# Altium PCB BEE_BOARD.PcbDoc (part 3 of 3)
Units mil, origin at the board's own origin, x right, y up, seen from the top; angles counter-clockwise.
Board outline 2248.55 x 2045.74 mil, 8 copper layers (Top, GND_1, Signal_1, GND_2, PWR, Signal_2, GND_3, Bottom), stack 62.994 mil thick; 168 components, 97 nets, 589 pads, 287 vias.
Unrouted connection lines stored in the file: 105.
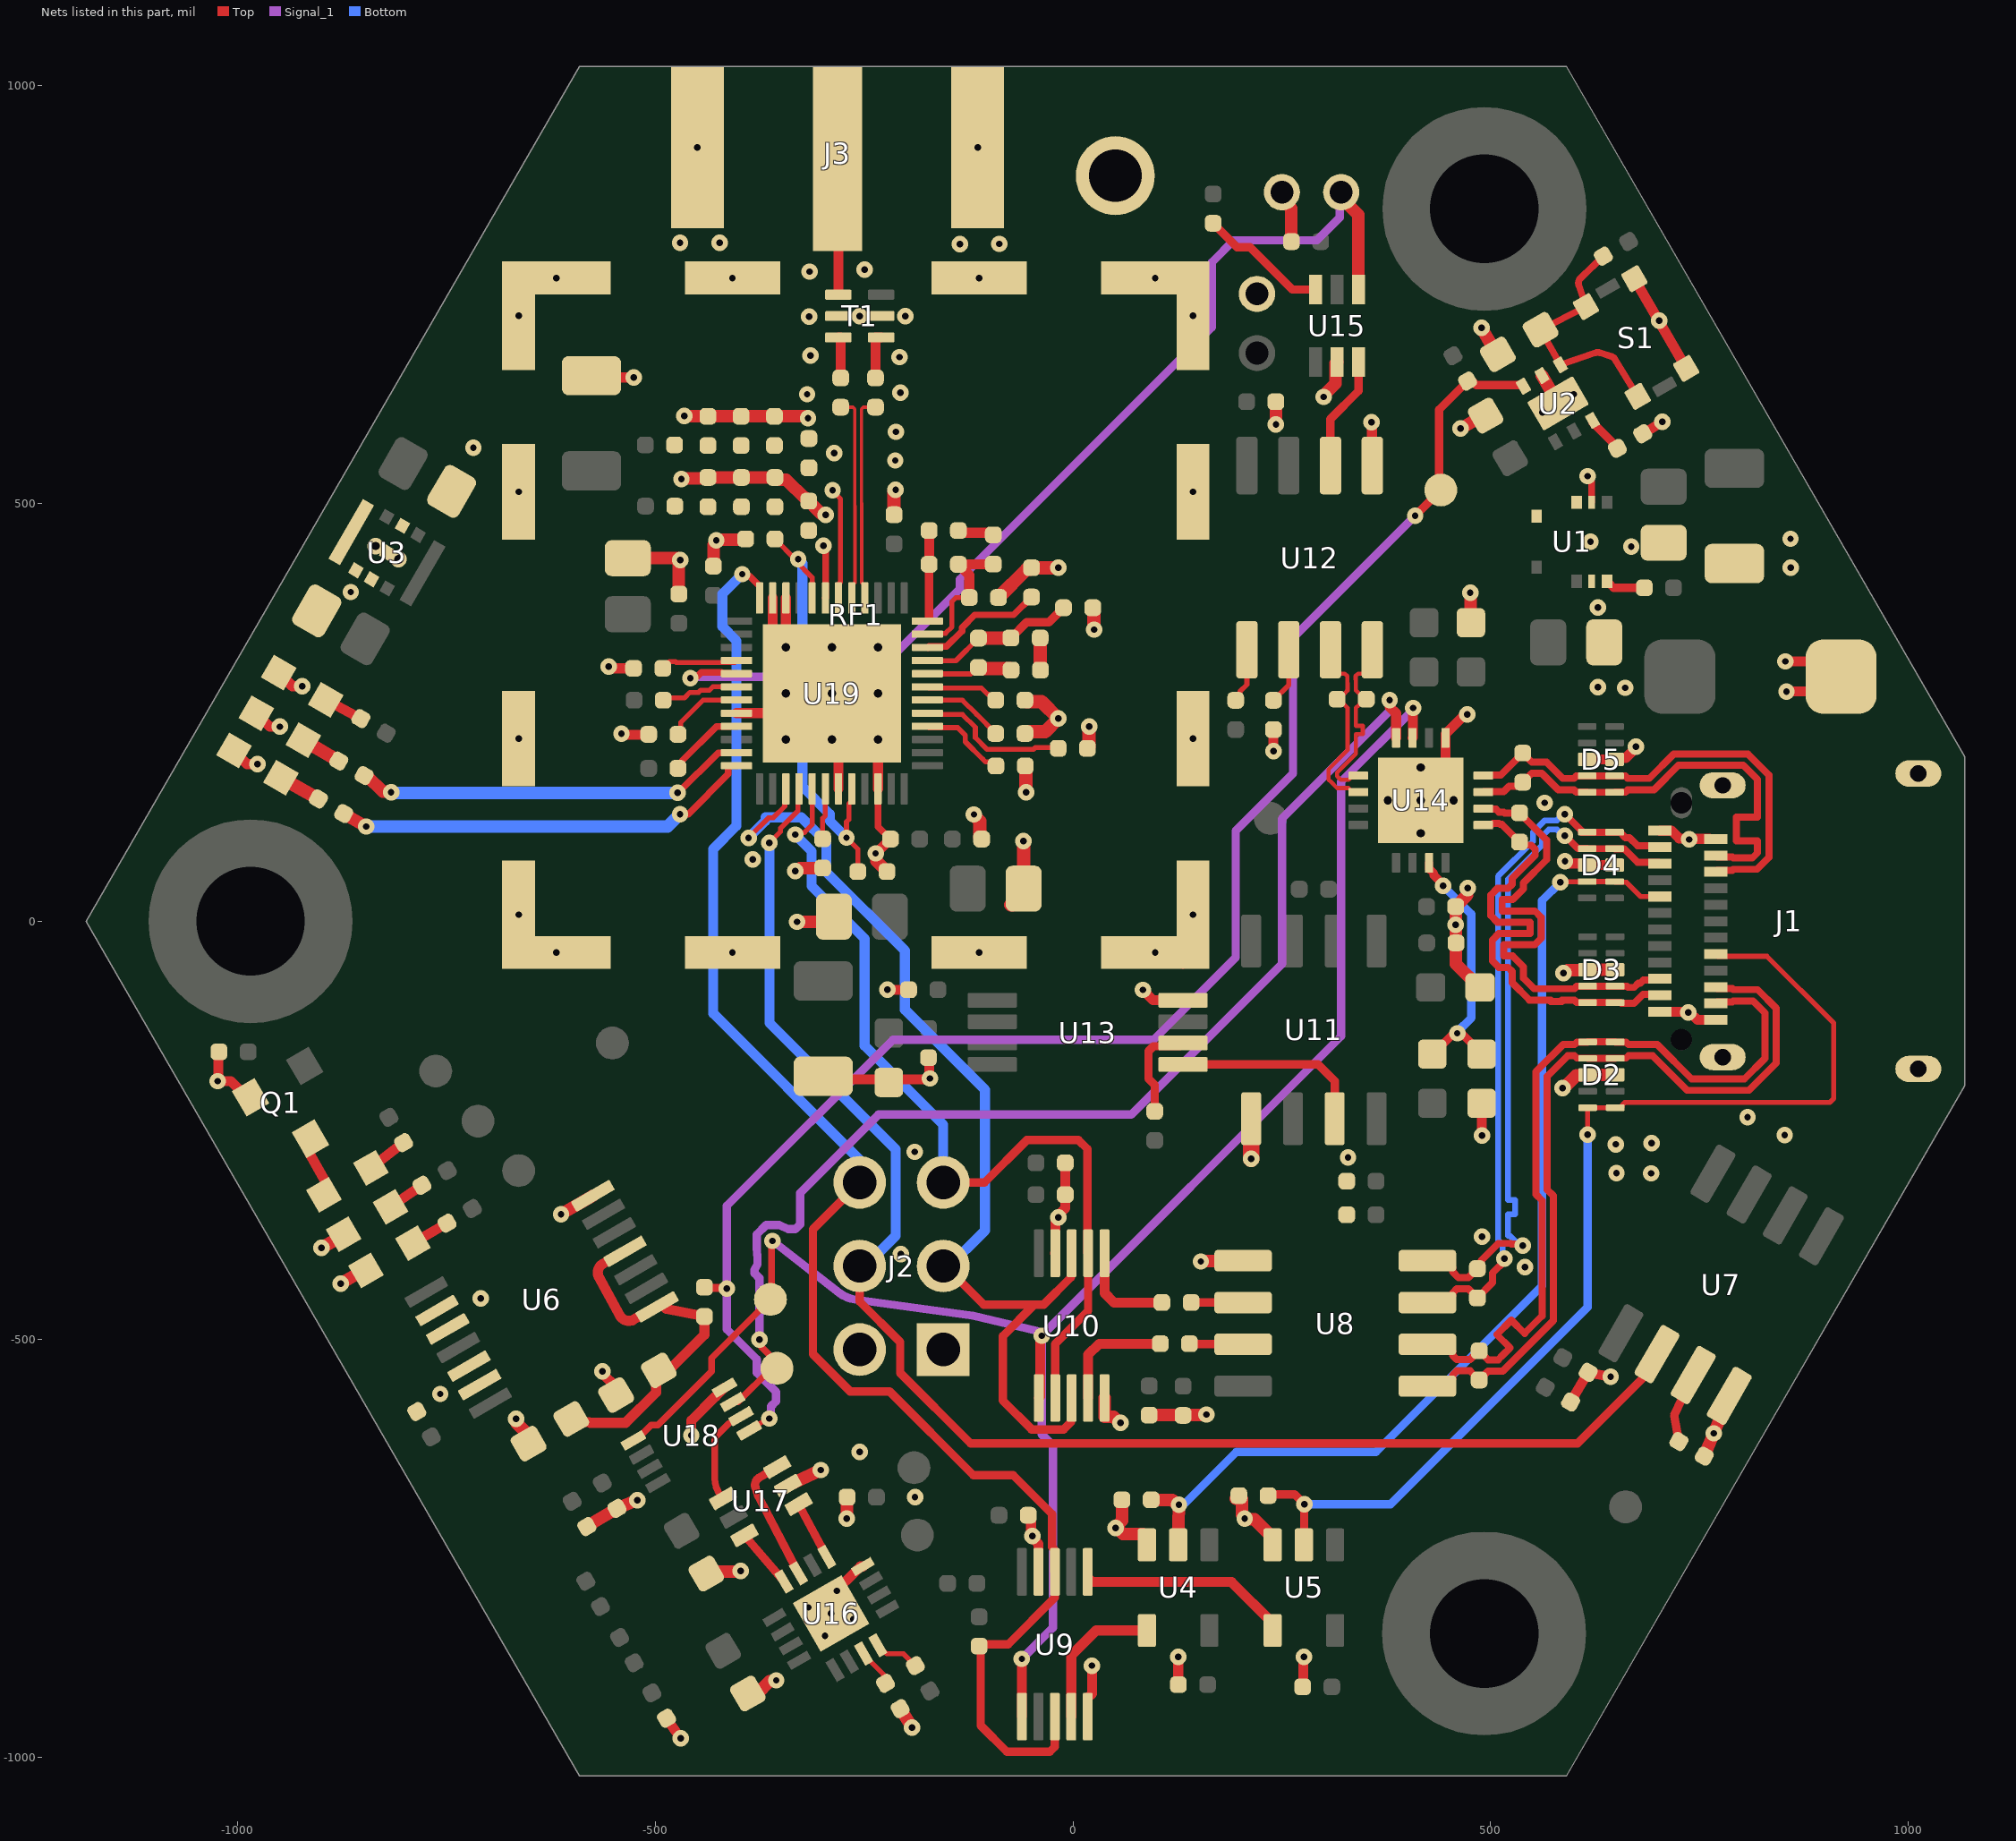
[diagram p9: the nets of this part, all layers, seen from the top]

## Via types
v1: diameter 19.68, hole 7.87, Top to Bottom, tented both sides, 270 vias
v2: diameter 19.68, hole 9.84, Top to Bottom, tented both sides, 16 vias
v3: diameter 19.68, hole 7.87, Top to Bottom, tented top, 1 vias

## Nets (pads, with @x,y where several pads share a name; then routed paths per layer and width w, separated by ;. In a path a pad name is that pad's centre, name@x,y a point inside that pad or via, vN(x,y) a via of type N, cw(c..) or ccw(c..) an arc to the next point about the centre after c; other vN are vias at no path point) (continued)
GND: C1.1 C2.2 C3.1 C4.2 C5.1 C6.1 C7.1 C8.1 C9.1 C10.1 C11.1 C12.2 C13.1 C14.1 C15.1 C16.1 C17.1 C19.2 C20.2 C21.1 C22.1 C23.1 C24.2 C25.1 C26.1 C27.2 C28.1 C29.1 C30.1 C31.2 C32.2 C33.2 C34.1 C35.1 C36.1 C37.1 C38.1 C39.1 C40.1 C41.1 C42.1 C43.1 C44.1 C45.1 C46.1 C47.1 C48.1 C49.1 C50.1 C51.1 C52.1 C53.1 C54.1 C55.1 C56.1 C57.1 C58.1 C61.1 C62.1 C63.1 C64.2 C65.1 C66.1 CLK.1 D1.2 D2.3 D2.8 D3.3 D3.8 D4.3 D4.8 D5.3 D5.8 D6.K D7.K D9.K D10.K D11.K GND.1 J1.1 J1.2 J1.3 J1.4 J1.A1 J1.A12 J1.B1 J1.B12 J2.1 J2.2 J3.2 J3.3 J3.4 J3.5 Q1.2 R3.2 R7.1 R9.2 R12.2 R14.1 R16.1 R20.2 R26.1 R27.2 R31.1 R35.1 RF1.1 S1.1 S1.2 SYNC.1 T1.2 T1.5 U1.2 U1.5 U1.7 U2.5 U2.7 U3.2 U3.5 U3.9 U4.3 U5.3 U6.7 U6.9 U6.10 U6.12 U6.13 U7.4 U8.5 U9.5 U9.9 U10.5 U10.9 U11.5 U12.5 U13.4 U14.5 U14.17 U15.2 U16.12 U16.17 U17.2 U18.4 U19.22 U19.23 U19.32 U19.43 U19.46 U19.49 | length 5151.7
  Top w8: U19.46@-233.3,158.41 -233.3,113.19 C49.1@-218.42,98.31 ; v1(615.95,532.58) 615.95,531.04 620.87,526.11 U1.2@620.87,501.33
  Top w12: R3.2@-1022.07,-156.35 -1022.87,-157.15 -1022.87,-190.54 v1(-1023.67,-191.34) -1007.7,-191.34 -988.45,-210.59 Q1.2@-984.17,-210.59 ; D7.K@-883.21,-374.39 D7.K@-873.06,-374.39 ; C19.2@-651.53,-625.1 C19.2@-651.28,-624.85 ; C36.1@-577.71,650.58 v1(-525.79,650.58) ; v1(-563.24,-538.76) -563.24,-540.84 -546.76,-557.32 C20.2@-546.76,-566.92 ; v1@-556.95,302.66 C64.2@-525.79,302.66 ; v1@-540,222.93 -506.58,222.93 C58.1@-505.87,223.64 ; v1@-539.29,224.48 v1@-538.59,225.19 ; R31.1@-486.43,-953.63 v1(-469.57,-977.53) ; v1(-456.78,-615.23) -456.78,-597.6 -428.13,-568.96 -427.31,-568.49 U18.4@-416.99,-558.16 ; C33.2@-438.83,-780.57 C33.2@-436.6,-778.34 ; U19.32@-402.59,248.96 -312.04,248.96 v2(-288.42,272.59) ; v1@-398.8,-778.34 v1(-397.71,-777.25) ; C32.2@-389.11,-924.12 C32.2@-377.77,-924.12 ; v1@-363.06,-909.42 -356.17,-909.42 v1(-355.07,-908.32) ; U19.23@-359.29,386.76 -359.29,343.45 v2(-343.54,327.7) ; U19.22@-343.54,386.76 v2(-343.54,327.7) ; v1(-332.5,60.05) -330.42,60.05 v1@-326.84,63.63 ; v1(-289.57,-828.21) -289.57,-807.26 -254.44,-772.13 U16.12@-251.49,-772.13 ; U19.43@-280.55,158.41 U19.49@-280.55,264.71 ; R26.1@-270.6,-690.28 cw(c-269.08,-690.28) R26.1@-270.16,-689.21 ; U19.46@-233.3,158.41 v2(-233.3,217.47) U19.49@-280.55,264.71 ; RF1.1@-138,-45.5 RF1.1@-125.03,-32.53 ; C16.1@-53.47,-710.81 -50.13,-714.15 -50.13,-734.1 v1(-48.66,-735.57) -48.66,-737.65 -41.43,-744.88 -41.43,-778.45 U9.9@-41.34,-778.54 ; U10.9@-21.18,-397.27 -21.08,-397.17 -21.08,-358.33 v1(-17.32,-354.57) -17.32,-351.47 -9.21,-343.37 C21.1@-9.21,-289.2 ; U9.5@17.81,-929.23 22.83,-924.21 v1(22.83,-890.73) ; v1(83.72,-82.18) 95.89,-94.35 131.53,-94.35 U13.4@131.81,-94.63 ; v1(98.43,-37.4) 118.12,-37.4 RF1.1@131.81,-51.09 ; v1(125.95,-880.09) 126.08,-880.22 126.08,-913.33 C10.1@126.2,-913.46 ; v1(153.12,-407.1) v1@153.54,-406.68 ; U8.5@203.31,-406.68 U8.5@203.73,-406.26 ; v1(239.97,203.44) R20.2@239.96,229.39 ; C25.1@242.86,621.61 C25.1@242.91,621.56 ; v1@242.91,594.61 v1(242.95,594.56) ; C9.1@274.89,-916.06 275.65,-915.29 275.65,-880.86 v1(276.42,-880.09) ; v1(357.47,596.92) 357.87,596.53 357.87,545.67 U12.5@358.27,545.28 ; v2(416.34,144.69) 416.34,155.85 445.87,185.38 U14.5@445.87,219.49 445.87,224.22 467.7,246.05 470.29,246.05 v1(471.76,247.52) ; v1(475.49,393.27) v1@475.94,392.82 ; R16.1@475.94,357.7 R16.1@476.38,357.26 ; R14.1@489.18,-217.9 489.48,-218.2 489.48,-256.3 v1(489.78,-256.6) ; C4.2@493.82,605.03 C4.2@497.78,608.99 ; v1(588.9,71.81) 590.98,71.81 593.75,69.03 613.55,69.03 D4.8@615.43,67.16 D4.3@648.3,67.16 ; C11.1@595.57,-575.33 C14.1@616.63,-539.75 v1(643.58,-545.03) ; D5.8@615.43,193.62 D5.3@648.3,193.62 650.17,195.5 661.83,195.5 673.97,207.64 v1(673.97,209.06) ; C5.1@635.86,333.66 C5.1@638.73,330.8 ; S1.1@671.95,768.86 705.11,711.43 S1.2@733.95,661.46 ; C6.1@681.88,583.3 v1(705.49,597.63) ; J1.A1@702.36,-108.27 702.46,-108.36 735.55,-108.36 v1(736.46,-109.27) 738.54,-109.27 747.28,-118.02 769.2,-118.02 J1.B12@769.29,-118.11 ; J1.A12@702.36,108.27 716.5,108.27 725.82,98.95 737.13,98.95 737.4,98.69 757.69,98.69 757.86,98.52 J1.B1@761.51,98.52 ; C3.1@704.8,455.14 C3.1@706.99,452.95 ; C1.1@791.18,428.4 C1.1@791.59,427.98 ; v1(852.56,310.84) 901.19,310.84 D1.2@919.29,292.74 901.46,274.91 v1(853.98,274.91) ; v2(-343.54,327.7) v2(-288.42,272.59) ; v2(-288.42,272.59) U19.49@-280.55,264.71
  Top w12.01: D9.K@-1005.81,205.23 -988.58,188.01 v1(-975.98,188.01) ; D10.K@-977.27,249.03 -961.03,232.79 v1(-949.14,232.79) ; D11.K@-950.38,297.44 -934.14,281.2 v1(-922.25,281.2) ; C40.1@-298.87,-185.54 -295.19,-189.23 -216.68,-189.23 -216.64,-189.27 -173.76,-189.27 -172.02,-187.53 -172.02,-164.21 C28.1@-172.92,-163.31 ; C45.1@-292.3,-0.8 C45.1@-285.99,5.51 ; v1(-236.13,81.19) -235.55,81.19 C49.1@-218.42,98.31 ; v1(-221.96,-82.01) C26.1@-196.67,-82.01
  Top w15: v1(-899.24,-390.79) -879.65,-379.47 D7.K@-873.06,-374.39 ; v1(-876.4,-433.48) -853.85,-420.46 D6.K@-845.95,-417.64 ; v3(-666.34,-595.45) -665.45,-596.35 -665.45,-600.73 -651.53,-614.64 C19.2@-651.53,-625.1 ; v1(-612.62,-350.54) U6.7@-574.48,-328.46 ; C34.1@-581.8,-724.34 C35.1@-545.74,-702.57 v1(-521.45,-692.74) ; C62.1@-532.74,434.37 -473.49,434.37 -471.64,432.51 C66.1@-471.64,391.53 ; v1(-468.61,528.93) -467.56,529.97 -437.94,529.97 C48.1@-436.9,531.02 C51.1@-396.77,531.02 C53.1@-356.65,531.02 -354.15,528.52 -343.06,528.52 -319.74,505.19 C54.1@-318.69,505.19 ; v1(-465.18,604.63) -464.96,604.41 -437.11,604.41 C42.1@-436.9,604.19 C46.1@-397.06,604.19 -320.89,604.19 -318.66,601.96 v1(-317.12,601.96) ; C33.2@-436.6,-778.34 v1@-398.8,-778.34 ; C41.1@-430.25,424.99 -430.25,450.17 -426.76,453.66 v1(-426.76,455.74) -425.9,456.6 -392.52,456.6 C56.1@-391.65,457.47 ; C32.2@-377.77,-924.12 v1@-363.06,-909.42 ; U17.2@-341.1,-675.38 -333.77,-671.58 v1(-301.82,-656.63) ; v1(-330.31,-0.8) C45.1@-292.3,-0.8 ; v1@-326.84,63.63 C61.1@-299.45,63.63 ; C54.1@-320.19,506.69 -300.7,487.21 -296.93,487.21 v1(-295.84,486.11) ; v1(-270.6,-714.59) R26.1@-270.6,-690.28 ; v1(-236.13,81.19) -235.24,80.29 -235.24,72.1 C63.1@-222.51,59.38 ; R27.2@-206.86,-942.16 v1(-192.48,-964.97) ; U10.5@37.88,-570.49 37.88,-592.94 37.97,-593.04 48.54,-593.04 55.59,-600.09 v1(57.14,-600.09) ; R12.2@58.57,-692.39 R12.2@58.66,-692.3 58.66,-716.99 50.99,-724.65 v1(50.99,-726.2) 52.54,-726.2 59.72,-733.38 83.72,-733.38 88.55,-738.2 U4.3@88.55,-746.23 ; C13.1@91.2,-590.94 159.16,-590.94 v1(159.84,-590.26) ; v1@153.54,-406.68 U8.5@203.31,-406.68 ; R9.2@195.06,-690.75 R9.2@198.52,-687.3 202.52,-691.3 202.52,-710.16 205.55,-713.19 v1(205.55,-714.74) 206.65,-715.83 217.47,-715.83 239.02,-737.37 U5.3@239.02,-746.23 ; v1@242.91,594.61 C25.1@242.91,621.56 ; SYNC.1@250.15,872.36 250.15,863.89 261.48,852.57 C31.2@261.48,813.21 ; v1(299.98,627.41) 299.98,628.95 314.29,643.26 314.29,667.29 U15.2@316.16,669.16 ; C30.1@458.13,17.5 471.76,31.13 471.76,38.85 v1(472.66,39.74) ; C30.1@458.29,17.34 458.04,17.09 458.04,-4.25 v1(457.94,-4.34) 458.19,-4.59 458.19,-25.71 C29.1@458.44,-25.97 458.44,-50.91 486.69,-79.16 C27.2@487.19,-79.16 ; v1(463.79,589.46) 484.83,601.61 C4.2@493.82,605.03 ; R16.1@475.94,357.7 v1@475.94,392.82 ; v1(488.9,710.2) 502.9,685.96 C2.2@508.57,678.27 ; U2.5@561.32,652.95 574.42,630.26 U2.7@580.51,619.7 ; v1(585.84,-199.66) 587.11,-199.66 602.59,-184.17 616.11,-184.17 616.49,-183.8 D2.3@648.99,-183.8 ; v1(587.22,-61.93) 588.48,-61.93 592.06,-58.35 615.65,-58.35 D3.8@616.02,-57.98 D3.3@648.89,-57.98 ; R7.1@755.55,-640.09 v1(766.96,-612.71) U7.4@785.62,-567.97
  Top w16: C47.1@-214.07,486.45 -214.07,513.84 -212.18,515.73 v1(-212.18,516.19) ; v1(-118.47,127.83) -118.47,126.83 -111.25,119.61 -111.25,100.31 C43.1@-109.25,98.31 ; C57.1@-89.06,387.39 -55.52,420.93 -51.6,420.93 C44.1@-49.6,422.93 v1(-17.64,422.93) ; C39.1@-74.55,19.51 -72.45,19.51 -58.95,33.01 C39.1@-58.95,39.01 -59.09,39.14 -59.09,95.71 v1(-59.23,95.85) ; C37.1@-57.45,224.62 -55.45,226.62 -33.19,226.62 v1(-17.32,242.5) -37.44,262.62 -55.45,262.62 C38.1@-57.45,264.62 ; C65.1@-57.09,185.72 -56.2,184.84 -56.2,154.68 v1(-55.87,154.35) ; R35.1@17.36,206.91 19.19,208.74 19.19,232.64 v1(19.52,232.97) ; C55.1@23.67,375.13 25.21,373.59 25.21,349.23 v1(25.54,348.9)
  Top w20: v1(213.32,-284.25) U11.5@213.32,-236.22
  Bottom w12: v1@489.17,-255.99 v1(489.78,-256.6)
  other v1: -296.78,-855.1 -262.68,-835.41 -316.46,-821 -282.37,-801.32 -189.02,-688.99 -255.2,-635.1 -757.25,-565.69 -708.61,-451.5 540.92,-413.82 -205.83,-398.26 489.62,-377.54 650.5,-301.31 691.96,-301.65 329.21,-282.76 -189.21,-276 649.83,-266.93 692.46,-265.42 851.83,-255.76 807.42,-234.59 -171.12,-188.17 -618.11,-37.4 -407.48,-37.4 -112.2,-37.4 -663.39,7.87 143.7,7.87 -383.19,73.78 737.4,97.86 564.44,141.73 -663.39,218.5 143.7,218.5 -540.35,224.48 660.91,279.3 628.44,279.93 -555.54,304.92 628.38,375.53 -864.25,393.92 859.12,423.11 -469.77,432.2 668.18,448.15 619.49,454.09 858.83,457.63 -663.39,513.78 143.7,513.78 -212.63,551.3 -285.78,560.31 -717.61,566.69 -211.75,585.55 561.76,608.88 -318.15,630.63 599.26,630.53 -206.39,632.48 -207.42,674.96 -314.23,676.81 701.56,718.64 -315.68,723.41 -663.39,724.41 -255.14,724.12 -200.61,724.12 143.7,724.41 -618.11,769.68 -407.48,769.68 -112.2,769.68 98.43,769.68 -315.26,777.23 -249.28,779.71 -135.21,810.22 -88.04,810.42 -470.16,811.71 -422.99,811.92 -449.44,925.89 -114,925.89
  other v2: 416.34,105.31 376.97,144.69 455.71,144.69 416.34,184.06 -343.54,217.47 -288.42,217.47 -343.54,272.59 -233.3,272.65 -288.42,327.7 -233.3,327.7 -807.32,433.18 -834.59,448.92
LED_RX: R33.2 U19.36 | length 509.4
  Top w6: R33.2@-872.73,128.83 R33.2@-869.3,126.77
  Top w8: v1(-470.17,128.11) -460.45,128.11 -412.41,176.16 -412.41,184.64 -411.08,185.97 U19.36@-402.59,185.97
  Top w15: R33.2@-869.3,126.77 v1(-845.98,113.3)
  Bottom w15: v1(-845.98,113.3) -484.98,113.3 v1(-470.17,128.11)
LED_TX: R32.2 U19.35 | length 475.5
  Top w6: R32.2@-848.33,174.26 R32.2@-845.07,171.92
  Top w8: v1(-473.16,153.62) -472.4,153.62 -424.63,201.39 -402.92,201.39 U19.35@-402.59,201.72
  Top w15: R32.2@-845.47,172.32 -844.37,173.41 -825.96,155.01 -816.92,155.01 v1(-816.03,154.11)
  Bottom w15: v1(-816.03,154.11) -815.54,153.62 v1(-473.16,153.62)
NetC2_1: C2.1 R40.1 S1.3 S1.4 U2.4 | length 305.3
  Top w8: 630.64,680.34 ccw(c628.19,672.72) 625.57,680.29 U2.4@583.48,665.74 C2.1@559.67,707.77 S1.3@613.98,735.4 605.36,760.94 cw(c612.94,763.5) 607.37,769.24 R40.1@634.76,795.81 ; 630.65,680.34 644.44,675.88 cw(c642,668.26) 648.82,672.44 S1.4@675.99,628
NetC6_2: C6.2 U2.3 | length 45.8
  Top w6: U2.3@621.87,596.84 U2.3@621.87,599.26 ; C6.2@651.57,565.8 C6.2@651.57,567.14
  Top w10: U2.3@621.87,596.84 C6.2@651.57,567.14
NetC19_1: C19.1 C20.1 R8.1 U6.1 U6.4 | length 430.1
  Top w12: C19.1@-600.44,-595.6 -596.66,-599.37 -578.77,-599.37 -577.93,-600.21 -535.35,-600.21 -498.95,-563.82 -498.95,-540.71 -491.39,-533.14 -479.19,-533.14 -441.08,-495.03 R8.1@-441.08,-472.99 -445.08,-472.16 -445.16,-472.16 -486.66,-463.68 -491.48,-458.86 U6.1@-497.71,-461.43 -527.2,-477.46 -528.92,-477.86 cw(c-531.61,-466.17) -542.16,-471.9 -567.24,-426.15 cw(c-556.72,-420.38) -562.97,-410.14 U6.4@-555.92,-405.83
NetC56_2: C56.2 C63.2 U19.20 U19.44 | length 559.5
  Top w6: C56.2@-356.65,457.47 -332.3,433.12 v1(-328.81,433.12) -330.68,433.12 -332.25,431.55 -312.04,411.34 U19.20@-312.04,386.76 ; U19.44@-264.8,158.41 -264.8,144.04 -268.2,140.64 -268.2,121.75 -270.97,118.98 v1(-270.97,99.91) -257.51,86.45 C63.2@-257.51,59.38
  Bottom w12: v1(-328.81,433.12) -323.7,428.01 -323.7,160.95 -290.74,128 -290.74,119.68 v1(-270.97,99.91)
NetC58_2: C58.2 U19.31 | length 92.8
  Top w6: C58.2@-470.87,223.64 -469.59,224.91 -469.59,237.71 -442.82,264.48 -430.03,264.48 -429.8,264.71 U19.31@-402.59,264.71
NetC59_1: C59.1 T1.4 | length 55.1
  Top w12: C59.1@-236.26,650.11 -236.26,698.43 -236.16,698.53 T1.4@-229.55,698.53
NetC60_1: C60.1 T1.3 | length 51.2
  Top w12: T1.3@-280.74,698.53 -278.01,698.53 -277.91,698.43 C60.1@-277.91,650.11
NetC61_2: C61.2 U19.42 | length 61.1
  Top w6: C61.2@-299.45,98.63 -299.45,123.14 -296.29,126.3 U19.42@-296.29,158.41
NetC64_1: C64.1 U19.28 | length 93
  Top w6: C64.1@-490.79,302.66 -482.88,310.58 -475.69,310.58 -474.6,309.49 -405.06,309.49 U19.28@-402.59,311.96
NetC65_2: C65.2 U19.4 | length 105.3
  Top w6: U19.4@-173.36,232.97 -172.03,231.64 -138,231.64 -128.8,222.44 -128.8,214.8 -107.63,193.62 -104.52,190.51 -96.87,190.51 C65.2@-92.09,185.72
NetC67_2: C67.2 R37.2 U19.12 | length 109.1
  Top w6: U19.12@-173.36,358.95 U19.12@-172.08,360.24
  Top w10: U19.12@-172.08,360.24 C67.2@-172.08,427.11
  Top w12: C67.2@-172.08,427.11 R37.2@-172.08,467.47
NetC68_2: C68.2 R36.2 | length 38.5
  Top w6: C68.2@-39.24,338.89 C68.2@-39.09,338.74 ; R36.2@-39.09,300.73 R36.2@-38.93,300.57
  Top w16: R36.2@-39.09,300.73 C68.2@-39.09,338.74
NetC69_1: C69.1 R36.1 U19.8 | length 104
  Top w6: U19.8@-173.36,295.96 -122.42,295.96 -114.65,303.74 C69.1@-113.02,303.74 C69.1@-111.44,302.15 ; R36.1@-75.51,302.15 R36.1@-73.93,300.57
  Top w16: C69.1@-111.44,302.15 R36.1@-75.51,302.15
NetC70_2: C70.2 R37.1 | length 43.9
  Top w6: R37.1@-137.08,467.47 R37.1@-134.5,464.9 ; C70.2@-97.88,464.9 C70.2@-95.31,462.32
  Top w12: R37.1@-134.5,464.9 C70.2@-97.88,464.9
NetD6_A: D6.A R1.1 | length 47.1
  Top w12: D6.A@-789.7,-385.16 R1.1@-749.12,-361.31
NetD7_A: D7.A R2.1 | length 45.8
  Top w12: D7.A@-816.8,-341.91 R2.1@-779.1,-315.93
NetD8_A: D8.A R4.2 | length 49.5
  Top w12: D8.A@-840.36,-294.99 R4.2@-801.08,-264.93
NetD8_K: D8.K Q1.3 | length 73.8
  Top w12: Q1.3@-912.41,-260.08 -915,-275.1 -893.05,-314.15 D8.K@-896.62,-327.47
NetD9_A: D9.A R33.1 | length 51.5
  Top w16: D9.A@-947.85,171.77 R33.1@-903.04,146.33
NetD10_A: D10.A R32.1 | length 49.1
  Top w16: D10.A@-921.02,216.55 R32.1@-878.65,191.76
NetD11_A: D11.A R34.1 | length 47.6
  Top w12.01: D11.A@-894.13,264.96 R34.1@-852.21,242.5
NetJ3_1: J3.1 T1.1 | length 162.8
  Top w12: J3.1@-281.72,912.11 -280.74,911.12 T1.1@-280.74,749.71
NetR7_2: R7.2 U7.3 | length 85.2
  Top w10: R7.2@725.24,-622.59 719.5,-591.57 U7.3@742.32,-542.97
NetR10_1: R10.1 U10.4 | length 143.5
  Top w12: U10.4@18.19,-570.49 18.19,-518.71 31.37,-505.53 R10.1@104.46,-505.53
NetR10_2: R10.2 U8.7 | length 64.6
  Top w6: R10.2@139.46,-505.53 R10.2@139.82,-505.9 ; U8.7@203.37,-505.9 U8.7@203.73,-506.26
  Top w10: R10.2@139.82,-505.9 U8.7@203.37,-505.9
NetR11_1: R11.1 U10.6 | length 121
  Top w12: U10.6@37.88,-397.27 37.88,-444.91 49.22,-456.26 R11.1@106.49,-456.26
NetR11_2: R11.2 U8.6 | length 62.2
  Top w10: R11.2@141.49,-456.26 U8.6@203.73,-456.26
NetR19_1: R19.1 U12.1 | length 66
  Top w6: R19.1@194.79,264.4 199.94,269.55 199.94,274.91 208.27,283.23 U12.1@208.27,324.8
NetR20_1: R20.1 U12.2 | length 68
  Top w6: R20.1@239.96,264.39 258.27,282.7 U12.2@258.27,324.8
NetR23_1: R23.1 U13.2 | length 120.3
  Top w10: R23.1@97.95,-227.36 97.95,-195.87 90.47,-188.39 90.47,-155.52 96.33,-149.67 127.95,-149.67 U13.2@131.81,-145.81
NetR24_1: R24.1 U15.6 | length 155.7
  Top w10: R24.1@167.77,835.18 196.48,806.47 211.89,806.47 262.58,755.78 U15.6@290.57,755.78
NetR27_1: R27.1 U16.7 | length 46.6
  Top w6: U16.7@-250.54,-876.14 -250.54,-877.45 -226.97,-901.02 -226.97,-909.24 R27.1@-224.36,-911.85
NetR28_1: R28.1 U16.8 | length 55
  Top w6: U16.8@-233.49,-866.29 -232.99,-866.29 -222.72,-876.56 -202.79,-876.56 R28.1@-188.62,-890.73
NetR35_2: R35.2 U19.5 | length 182.1
  Top w6: U19.5@-173.36,248.72 -172.03,247.38 -132.18,247.38 -116.8,232.01 -116.8,219.77 -102.66,205.62 -47.24,205.62 -44.97,207.89 -18.63,207.89 R35.2@-17.64,206.91
NetR38_2: R38.2 U19.30 | length 94.3
  Top w6: R38.2@-490.24,264.46 -487.56,267.14 -465.13,267.14 -458.43,273.84 -448.04,273.84 -445.4,276.48 -435,276.48 -431.02,280.46 U19.30@-402.59,280.46
NetR39_2: R39.2 U19.33 | length 93.5
  Top w8: R39.2@-472.74,182.96 -467.97,187.73 -467.97,192 -426.76,233.22 U19.33@-402.59,233.22
NetR43_1: R43.1 U1.6 | length 48.9
  Top w10: U1.6@639.09,406.84 639.09,405.37 640.48,403.97 641.96,403.97 646.98,398.94 R43.1@683.81,398.94
NetU1_3: U1.3 U1.8
NetU3_1: U3.1 U3.7
NetU4_4: U4.4 U9.4 | length 176.2
  Top w12: U9.4@-1.97,-951.77 -1.97,-878.45 27.88,-848.6 U4.4@88.55,-848.6
NetU5_4: U5.4 U9.6 | length 252
  Top w12: U9.6@18.19,-785.75 22.83,-790.39 189.67,-790.39 239.02,-839.74 U5.4@239.02,-848.6
NetU11_7: U11.7 U13.1 | length 234.6
  Top w10: U13.1@131.81,-171.4 293.34,-171.4 313.32,-191.38 U11.7@313.32,-236.22
OUT1: U16.16 U17.6 | length 72.8
  Top w10: U17.6@-393.08,-734.94 U16.16@-345.66,-790.12
OUT2: U16.15 U17.3 | length 153.6
  Top w10: U17.3@-353.89,-653.22 -375.48,-665.81 ccw(c-370.45,-674.44) -379.98,-677.48 -376.58,-688.15 U16.15@-328.61,-780.28
OUT4: U16.13 U17.1 | length 71.5
  Top w10: U17.1@-328.3,-697.54 U16.13@-294.51,-760.6
PE: R13.1 R14.2 U14.15 | length 311.5
  Top w10: U14.15@426.18,69.88 426.18,62.99 431.94,57.23 431.94,54.92 442.93,43.93 v1(442.93,42.32) ; R13.1@430.12,-158.89 431.21,-158.89 455.71,-134.4 465.18,-134.4 489.18,-158.4 R14.2@489.18,-158.9
  Bottom w10: v1(442.93,42.32) 476.78,8.48 476.78,-115.77 459.96,-132.59 v1(459.96,-134.08)
PULSE: Pulse.1 R8.2 R42.1 U2.6 U18.1 | length 1945.9
  Top w6: R8.2@-441.08,-437.99 R8.2@-440.31,-438.76 ; v1@-414.89,-438.76 v1(-414.13,-439.52) ; U18.1@-387.46,-609.31 -383.49,-605.34 v1(-363.37,-595.08)
  Top w10: R8.2@-440.31,-438.76 v1@-414.89,-438.76 ; v1(409.6,485.28) Pulse.1@440.31,515.99 438.1,518.21 438.1,612.06 R42.1@472.34,646.31 477.97,646.31 482.64,641.63 537.68,641.63 U2.6@539.16,640.15
  Signal_1 w10: v1(-363.37,-595.08) -361.51,-593.23 -361.51,-580.61 -355.47,-574.56 -355.47,-563.07 -378.34,-540.2 -378.34,-524.09 -414.13,-488.31 v1(-414.13,-439.52) -414.13,-340.41 -215.44,-141.73 96.5,-141.73 194.8,-43.44 194.8,108.23 263.34,176.77 263.34,339.02 v1(409.6,485.28)
RF_N: C60.2 U19.17 | length 245.5
  Top w4: C60.2@-277.91,615.11 -263.43,615.11 -261.08,612.76 -261.08,497.01 -260.92,496.85 -260.92,405 -264.8,401.13 U19.17@-264.8,386.76
RF_P: C59.2 U19.16 | length 245.5
  Top w4: U19.16@-249.05,386.76 -249.05,401.13 -252.92,405 -252.92,500.17 -253.08,500.33 -253.08,612.76 -250.74,615.11 C59.2@-236.26,615.11
RX1_N: D2.4 D2.7 J1.B10 R5.2 U8.1 | length 956.3
  Top w8.5: U8.1@424.2,-556.26 445.86,-556.26 454.4,-547.71 454.4,-542.99 459.38,-538.01 475.25,-538.01 R5.2@486.22,-549 496.95,-538.25 514.56,-538.25 574.94,-477.87 574.94,-328.54 567.74,-321.35 567.74,-185.52 592.25,-161.02 600.31,-161.02 603.09,-163.8 615.81,-163.8 D2.7@616.12,-164.11 D2.4@648.99,-164.11 649.31,-163.8 662.02,-163.8 664.8,-161.02 693.76,-161.02 735.1,-202.36 809.09,-202.36 841.74,-169.71 841.74,-104.2 819.37,-81.83 790.42,-81.83 788.98,-80.4 770.95,-80.4 J1.B10@769.29,-78.74
RX1_P: D2.5 D2.6 J1.B11 R5.1 U8.2 | length 956.3
  Top w8.5: U8.2@424.2,-506.26 445.86,-506.26 454.4,-514.8 454.4,-519.53 459.38,-524.51 475.49,-524.51 486,-514 R5.1@486.22,-514 496.95,-524.75 508.97,-524.75 514.58,-519.13 523.24,-510.47 507.36,-494.59 524.68,-477.26 540.57,-493.15 561.44,-472.28 561.44,-334.14 554.24,-326.94 554.24,-179.93 586.66,-147.52 600.31,-147.52 603.09,-144.74 615.81,-144.74 D2.6@616.12,-144.43 D2.5@648.99,-144.43 649.31,-144.74 662.02,-144.74 664.8,-147.52 699.35,-147.52 740.69,-188.86 803.49,-188.86 828.24,-164.11 828.24,-109.79 813.78,-95.33 790.42,-95.33 788.98,-96.77 770.95,-96.77 J1.B11@769.29,-98.43
RX2_N: D4.4 D4.7 J1.A10 R6.1 U8.4 | length 841.9
  Top w8.5: U8.4@424.2,-406.26 445.86,-406.26 454.4,-414.8 454.4,-419.55 461.29,-426.44 473.31,-426.44 R6.1@484.04,-415.69 488.71,-411.02 488.71,-405.82 509.05,-385.47 524.04,-385.47 524.71,-386.14 536.07,-386.14 v1(538.21,-388.28) ; v1(588.75,102.18) 589.25,102.18 604.28,87.15 615.11,87.15 D4.7@615.43,86.84 D4.4@648.3,86.84 648.61,86.53 659.86,86.53 675.83,70.55 700.71,70.55 J1.A10@702.36,68.9
  Bottom w7: v1(538.21,-388.28) 534.78,-388.28 522.62,-376.12 520.76,-376.12 520.76,-367.62 520.76,-350.62 529.4,-350.62 529.4,-333.62 520.76,-333.62 520.76,-301.31 520.76,50.18 561.63,91.06 561.63,101.92 569.4,109.68 579.29,109.68 586.79,102.18 v1(588.75,102.18)
RX2_P: D4.5 D4.6 J1.A11 R6.2 U8.3 | length 841.9
  Top w8.5: U8.3@424.2,-456.26 445.85,-456.26 454.4,-447.71 454.4,-444.92 459.38,-439.94 473.31,-439.94 R6.2@484.04,-450.69 ; R6.2@484.04,-450.69 502.29,-432.44 502.29,-420.85 516.55,-406.59 v1(516.55,-403.56) ; v1(588.75,128.18) 608.55,108.38 608.55,106.84 608.87,106.53 D4.5@648.3,106.53 654.86,106.53 661.36,100.03 666.04,100.03 675.83,90.24 700.71,90.24 J1.A11@702.36,88.58
  Bottom w7: v1(516.55,-403.56) 514.12,-401.14 514.12,-386.45 508.76,-381.09 508.76,53.74 550.63,95.61 550.63,106.48 564.84,120.68 579.29,120.68 586.79,128.18 v1(588.75,128.18)
SBU1: D4.2 D4.9 J1.A8 R12.1 U4.2 | length 1245.5
  Top w6: v1(583.47,46.7) 583.85,47.09 615.04,47.09 D4.9@615.43,47.47 D4.2@648.3,47.47 649.24,46.53 662.58,46.53 679.58,29.53 J1.A8@702.36,29.53
  Top w15: R12.1@93.66,-692.3 118.75,-692.3 124.72,-698.28 v1(126.81,-698.28) U4.2@125.95,-746.23
  Bottom w10: v1(126.81,-698.28) 132.39,-698.28 195.72,-634.95 362.73,-634.95 561.44,-436.24 561.44,24.68 v1(583.47,46.7)
SBU2: D2.1 D2.10 J1.B8 R9.1 U5.2 | length 1339
  Top w6: v1(615.89,-255.24) 615.89,-223.4 D2.10@616.12,-223.17 656.18,-223.17 657.12,-222.23 657.12,-220.3 660.63,-216.78 905.76,-216.78 910.56,-211.98 910.56,-121.99 830.58,-42.01 771.93,-42.01 J1.B8@769.29,-39.37
  Top w10: R9.1@233.52,-687.3 235.1,-685.71 265.28,-685.71 v1(277.16,-697.59) 276.79,-697.96 276.79,-745.86 U5.2@276.42,-746.23
  Bottom w10: v1(277.16,-697.59) 380.11,-697.59 615.89,-461.81 v1(615.89,-255.24)
SEL: SEL.1 U9.1 U10.1 U14.7 U18.5 | length 2190.1
  Top w8: U18.5@-526.09,-621.15 -522.85,-621.15 -504.75,-603.05 -496.61,-603.05 -432.32,-538.76 -432.32,-522.81 -360.02,-450.52 -360.75,-449.79 -360.75,-383.77 v1(-359.48,-382.5)
  Top w12: v1(-61.18,-882.65) -61.1,-882.73 -61.1,-951.69 U9.1@-61.02,-951.77 ; U10.1@-40.86,-570.49 -39.08,-568.71 -39.08,-497.72 v1(-37.42,-496.05) ; U14.7@406.5,219.49 406.91,219.9 406.91,254.76 v1(407.32,255.17)
  Signal_1 w10: v1(-359.48,-382.5) -280.04,-444.51 ccw(c-255.2,-412.52) -260.74,-452.64 -119.98,-472.02 -43.28,-490.2 v1(-37.42,-496.05) ; v1(-61.18,-882.65) -24.05,-845.52 -24.05,-627.17 -37.42,-613.8 v1(-37.42,-496.05) ; v1(407.32,255.17) 407.32,253.34 321.02,167.04 321.02,-137.61 v1(-37.42,-496.05)
SEL#: SEL#.1 U14.8 U18.3 | length 1446.6
  Top w8: U18.3@-407.14,-575.21 -400.83,-575.21 -360.71,-535.09 SEL#.1@-354.15,-535.09 -354.15,-528.11 -373.06,-509.19 -373.06,-502.72 v1(-375.3,-500.49)
  Top w12: v1(378.98,264.47) 378.98,256.47 386.81,248.65 U14.8@386.81,219.49
  Signal_1 w10: v1(-375.3,-500.49) -375.3,-426.98 -380.88,-421.39 -380.88,-417.25 -377.58,-410.73 -377.58,-404.2 -378.33,-390.31 -378.33,-374.7 -367.29,-363.66 -351.68,-363.66 -340.67,-368.5 -332.39,-368.5 -326.53,-362.64 -326.53,-325.17 -232.79,-231.42 69.91,-231.42 250.15,-51.18 250.15,122.84 378.98,251.68 v1(378.98,264.47)
SEL_3V3: U17.4 U18.2 | length 115.9
  Top w8: U17.4@-418.67,-690.62 cw(c-394.91,-666.85) -428.52,-666.85 -428.52,-620.95 cw(c-420.52,-620.99) -426.2,-615.36 -412.1,-601.26 cw(c-389.21,-624.4) -399.22,-593.43 ccw(c-400.69,-588.87) U18.2@-397.3,-592.26
SPICLK: J2.5 U10.2 U10.7 U19.41 | length 1070.2
  Top w6: v1(-332.38,103.68) -329.76,106.3 -321.34,106.3 -312.04,115.59 U19.41@-312.04,158.41
  Top w10: J2.5@-155.2,-312.52 -105.79,-312.52 -55.17,-261.91 6.74,-261.91 17.36,-272.52 17.36,-396.43 U10.7@18.19,-397.27 18.19,-466.4 -21.18,-505.77 U10.2@-21.18,-570.49
  Bottom w12: v1(-332.38,103.68) -312.66,83.95 -312.66,42.21 -249.28,-21.17 -249.28,-149.07 -155.2,-243.15 J2.5@-155.2,-312.52
SPIMISO: J2.4 U7.2 U19.40 | length 1810.2
  Top w6: v1(-363.2,93.94) -349.84,107.3 -349.84,111.47 -329.12,132.18 -329.12,157.08 U19.40@-327.79,158.41
  Top w10: J2.4@-255.2,-412.52 -255.2,-455.05 -206.76,-503.49 -206.76,-540.59 -122.55,-624.81 603.99,-624.81 699.02,-529.78 U7.2@699.02,-517.97
  Bottom w12: v1(-363.2,93.94) -363.2,-121.85 -212,-273.05 -212,-376.36 -248.16,-412.52 J2.4@-255.2,-412.52
SPIMOSI: J2.3 U10.3 U10.8 U19.39 | length 1293.5
  Top w6: v1(-388.21,99.79) -364.26,123.74 -358.71,123.74 -344.87,137.58 -344.87,157.08 U19.39@-343.54,158.41
  Top w10: J2.3@-155.2,-412.52 -153.03,-412.52 -106.89,-458.66 -46.1,-458.66 ; U10.3@-1.49,-570.49 -2.4,-571.4 -2.4,-599.4 -11.04,-608.04 -49.46,-608.04 -83.92,-573.58 -83.92,-496.48 -46.1,-458.66 ; U10.8@-1.49,-397.27 -2.4,-398.17 -2.4,-426.17 -34.9,-458.66 -46.1,-458.66
  Bottom w12: v1(-388.21,99.79) -367.93,120.07 -367.93,124.31 -324.95,124.31 -295.13,94.49 -295.13,58.76 -201.07,-35.3 -201.07,-105.96 -105.2,-201.82 -105.2,-369.91 -151.5,-416.22 -155.2,-419.91 J2.3@-155.2,-412.52
SPInCS: J2.6 R41.1 U9.3 U9.8 U19.24 | length 1928.7
  Top w8: v1(-395.8,415.3) -393.56,413.06 -386.97,413.06 -375.03,401.13 U19.24@-375.03,386.76
  Top w10: J2.6@-246.97,-304.29 -311.2,-368.52 -311.2,-518.03 -266.71,-562.52 -219.56,-562.52 -119.22,-662.87 -71.48,-662.87 -24.89,-709.45 -24.89,-749.14 -22.56,-751.47 -22.56,-777.64 U9.8@-21.65,-778.54 -21.75,-778.64 -21.75,-809.33 -77.57,-865.16 -110,-865.16 R41.1@-110.44,-865.6 ; R41.1@-112.2,-867.36 R41.1@-110.44,-865.6 ; U9.3@-21.65,-951.77 -21.75,-951.87 -21.75,-987.91 -27.61,-993.77 -79.17,-993.77 -110.44,-962.5 R41.1@-110.44,-865.6
  Bottom w12: v1(-395.8,415.3) -419.52,391.59 -419.52,352.53 -402.67,335.68 -402.67,114.17 -430.57,86.27 -430.57,-110.2 -255.2,-285.57 J2.6@-255.2,-312.52
SYNC: SYNC.2 U15.4 U19.29 | length 1272.8
  Top w8: v1(-457.89,290.68) -455.65,292.92 -449.56,292.92 -444.9,297.58 -420.83,297.58 -419.79,296.54 -402.92,296.54 U19.29@-402.59,296.21
  Top w15: SYNC.2@321.02,872.36 321.02,866.24 341.75,845.5 U15.4@341.75,755.78
  Signal_1 w10: v1(-457.89,290.68) -456.14,292.43 -240.52,292.43 -135.21,397.74 -135.21,409.2 166.11,710.53 166.11,788.34 192.45,814.68 292.04,814.68 319.45,842.09 319.45,870.79 SYNC.2@321.02,872.36
SYNC_BB_LVDS_N: R18.1 U12.4 U14.9 | length 229.8
  Top w5: U14.9@341.54,174.21 334.65,174.21 329.8,169.37 320.24,169.37 316.05,173.56 316.05,177.7 338.66,200.32 338.66,211.35 338.66,223.85 346.95,223.85 346.95,233.85 338.66,233.85 338.66,254.92 338.66,255.32 341.59,258.25 341.77,258.25 R18.1@349.27,265.75 ; R18.1@351.16,265.75 R18.1@349.27,265.75 ; U12.4@358.27,324.8 358.27,306.47 348.07,296.27 341.2,296.27 338.27,293.34 338.27,289.2 338.66,288.81 338.66,276.18 341.59,273.25 341.77,273.25 R18.1@349.27,265.75
SYNC_BB_LVDS_P: R18.2 U12.3 U14.10 | length 229.8
  Top w5: U12.3@308.27,324.8 308.27,306.47 318.46,296.27 325.34,296.27 328.27,293.34 328.27,285.06 328.66,284.67 328.66,276.18 325.73,273.25 325.56,273.25 R18.2@318.06,265.75 ; R18.2@316.16,265.75 R18.2@318.06,265.75 ; U14.10@341.54,154.53 334.65,154.53 329.8,159.37 316.1,159.37 308.98,166.49 306.05,169.42 306.05,181.85 328.66,204.46 328.66,255.32 325.73,258.25 325.56,258.25 R18.2@318.06,265.75
SYNC_LVCMOS: U12.6 U15.3 | length 137.8
  Top w10: U12.6@308.27,545.28 308.27,601.02 341.75,634.5 U15.3@341.75,669.16
TX1_N: D3.2 D3.9 J1.A3 R21.1 U14.2 | length 560
  Top w8.5: U14.2@491.14,134.84 491.81,134.17 506.31,134.17 509.81,130.67 515.41,130.67 516.68,129.4 534.14,129.4 R21.1@534.45,129.7 566.83,97.3 566.83,77.41 566.83,73.48 539.16,45.81 539.16,38.73 526.27,25.84 513.71,25.84 513.71,12.34 552.77,12.34 560.68,4.43 560.68,-20.25 552.77,-28.16 515.42,-28.16 515.42,-41.66 526.27,-41.66 539.16,-54.54 539.16,-67.99 539.51,-68.34 551.92,-80.76 600.21,-80.76 602.99,-77.98 615.71,-77.98 D3.9@616.02,-77.66 D3.2@648.89,-77.66 663.12,-77.66 664.62,-79.17 671.66,-79.17 676.78,-74.05 679.18,-74.05 682.68,-70.55 700.71,-70.55 J1.A3@702.36,-68.9
TX1_P: D3.1 D3.10 J1.A2 R21.2 U14.1 | length 560
  Top w8.5: U14.1@491.14,115.16 491.81,115.83 501.43,115.83 502.77,117.17 509.81,117.17 511.09,115.9 513.27,115.9 R21.2@534.45,94.7 ; R21.2@534.45,94.7 538.06,91.09 548.35,91.09 553.33,86.11 553.33,79.07 551.67,77.41 525.66,51.4 525.66,44.32 520.68,39.34 508.12,39.34 500.21,31.43 500.21,6.75 508.12,-1.16 547.18,-1.16 547.18,-14.66 509.82,-14.66 501.92,-22.57 501.92,-47.25 509.82,-55.16 520.68,-55.16 525.66,-60.14 525.66,-68.34 525.66,-73.58 546.33,-94.26 548.22,-94.26 571.6,-94.26 571.6,-96.27 585.1,-96.27 585.1,-94.26 589.35,-94.26 600.21,-94.26 602.99,-97.04 615.71,-97.04 D3.10@616.02,-97.35 D3.1@648.89,-97.35 655.45,-97.35 656.41,-98.31 671.61,-98.31 682.37,-87.55 701.33,-87.55 J1.A2@702.36,-88.58
TX2_N: D5.2 D5.9 J1.B3 R22.1 U14.4 | length 560
  Top w8.5: U14.4@491.14,174.21 491.81,174.88 512.06,174.88 R22.1@538.41,201.23 ; R22.1@538.41,201.23 549.14,190.48 566.75,190.48 586.39,170.85 599.62,170.85 602.4,173.63 615.11,173.63 D5.9@615.43,173.94 D5.2@648.3,173.94 648.61,173.63 661.33,173.63 664.11,170.85 689.86,170.85 719.11,200.1 807.79,200.1 832.87,175.01 832.87,76.42 818.6,62.15 807.42,62.15 790.42,62.15 788.98,60.71 770.95,60.71 J1.B3@769.29,59.06
TX2_P: D5.1 D5.10 J1.B2 R22.2 U14.3 | length 560
  Top w8.5: U14.3@491.14,154.53 491.81,155.2 515.7,155.2 522.07,161.56 533.74,161.56 R22.2@538.41,166.23 549.14,176.98 561.16,176.98 580.8,157.35 599.62,157.35 602.4,154.57 615.11,154.57 D5.10@615.43,154.25 D5.1@648.3,154.25 648.61,154.57 661.33,154.57 664.11,157.35 695.45,157.35 724.7,186.6 802.2,186.6 819.37,169.42 819.37,124.76 793.83,124.76 793.83,96.26 819.37,96.26 819.37,82.01 813.01,75.65 790.42,75.65 788.98,77.08 770.95,77.08 J1.B2@769.29,78.74
VDDCLK: C55.2 C68.1 C69.2 U19.9 | length 188.3
  Top w6: U19.9@-173.36,311.71 -140.05,311.71 C69.2@-113.02,338.74 C69.2@-112.94,338.82
  Top w10: C68.1@-74.32,338.82 -55.24,357.89 -28.57,357.89 C55.2@-11.33,375.13
  Top w16: C69.2@-112.94,338.82 C68.1@-74.32,338.82
VDDIF: C38.2 U19.7 | length 87.4
  Top w6: U19.7@-173.36,280.21 -172.03,278.88 -109.4,278.88 -102.14,271.62 -101.07,271.62 -94.07,264.62 C38.2@-92.45,264.62
VDDMS: C37.2 U19.6 | length 97.4
  Top w6: U19.6@-173.36,264.46 -132.29,264.46 -115.35,247.52 C37.2@-92.45,224.62
VDDPA1: C42.2 C46.2 C50.2 C52.2 L1.2 U19.18 | length 133.8
  Top w6: v1(-287.63,515.64) -287.63,514.78 -278.13,505.28 -278.13,405.97 -279.22,404.89 -279.22,388.09 U19.18@-280.55,386.76
VDDPA2: C48.2 C51.2 C53.2 C54.2 L2.2 U19.19 | length 63.8
  Top w8: v1(-298.47,449.35) -295.96,446.84 -295.96,387.09 U19.19@-296.29,386.76
VDDSYN: C44.2 U19.10 | length 151.1
  Top w8: U19.10@-173.36,327.46 -172.03,328.79 -151.31,328.79 -132.82,347.27 -132.82,351.19 -117.43,366.58 -70.95,366.58 C44.2@-49.6,387.93
VDDVCO: C57.2 C67.1 C70.1 U19.11 | length 172.3
  Top w6: U19.11@-173.36,343.2 -172.03,344.53 -152.53,344.53 -144.82,352.24 -144.82,382.57 -140,387.39 C57.2@-124.06,387.39 ; C67.1@-137.08,427.11 C67.1@-136.97,427.22 ; C70.1@-95.41,427.22 C70.1@-95.31,427.32
  Top w12: C67.1@-137.08,427.11 -124.06,414.09 C57.2@-124.06,387.39 ; C67.1@-136.97,427.22 C70.1@-95.41,427.22
pads on no net: D2.2 D2.9 D5.4 D5.7 FID1.1 FID1.2 FID2.1 FID2.2 FID3.1 FID3.2 J1. MTH1.1 MTH2.1 MTH3.1 S1.5 S1.6 T1.6 U4.1 U5.1 U6.8 U6.11 U7.5 U7.6 U11.1 U11.4 U11.6 U12.7 U13.5 U13.7 U16.3 U16.10 U16.14 U19.1 U19.2 U19.13 U19.14 U19.34 U19.37 U19.38

## Polygon pours and split planes (outlines as drawn)
3V3 on Top "3V3_L01_P045" (solid, pour order 45): 649.46,-528.06 628.57,-515.98 609.96,-518.92 573.23,-583.24 540.91,-564.46 623.02,-431.42 686.68,-465.22
3V3 on Top "3V3_L01_P044" (solid, pour order 44): -506.35,-684.42 -480.81,-669.56 -507.39,-624.24 -615.65,-687.21 -597.83,-714.69 -516.88,-669.1
GND on Top "GND_L01_P043" (solid, pour order 43): -684.16,-546.6 -791.17,-610.21 -814.45,-569.31 -707.96,-506.29
3V3 on Top "3V3_L01_P042" (solid, pour order 42): -66.93,-129.43 -129.6,-129.43 -146.67,-146.5 -192.67,-146.5 -201.65,-155.47 -237.14,-155.47 -237.14,-105.63 -182.27,-105.63 -182.27,-72.89 -172.4,-63.02 -143.87,-63.02 -143.87,-93.29 -126.27,-110.89 -66.93,-110.89
3V3 on Top "3V3_L01_P039" (solid, pour order 39): -213.37,176.59 -221.83,176.59 -221.2,120.79 -200.72,100.31 -200.72,40.49 -240.74,40.49 -256.29,24.94 -256.29,-14.09 -277.85,-35.66 -336.09,-35.66 -346.83,-46.4 -346.83,-148.15 -251.26,-148.15 -244.17,-141.06 -244.17,-70.18 -227.66,-70.18 -164.37,-6.89 -164.37,91.7 -173.06,100.39 -172.83,136.06 -203.7,136.06 -213.53,145.89
3V3 on Top "3V3_L01_P041" (solid, pour order 41): 238.4,-543.16 54.8,-543.16 54.8,-575.36 179.09,-575.36 179.09,-604.51 224.13,-604.51 238.4,-590.25
3V3 on Top "3V3_L01_P040" (solid, pour order 40): -54.88,-806.84 -54.88,-750.14 -72.59,-732.43 -72.59,-692.66 -134.41,-692.66 -134.41,-844.27 -92.32,-844.27
1V8 on Top "1V8_L01_P036" (solid, pour order 36): -206.17,177.18 -206.17,139.84 -205.77,139.44 -163.04,139.44 -163.04,96.65 -151.91,85.51 -151.91,3.76 -106.56,3.76 -89.54,20.79 -89.54,71.88 -104.19,86.53 -118.05,86.53 -118.05,153.05 -142.17,177.18
3V3 on Top "3V3_L01_P038" (solid, pour order 38): 433.78,39.45 417.32,39.45 410.73,46.04 410.73,80.85 409.79,81.79 360.39,81.79 347.22,68.62 347.22,25.1 371.68,25.1 386.03,10.75 386.03,-111.8 396.51,-122.28 436.47,-122.28 459.66,-99.1 459.66,-69.22 443.9,-53.46 443.9,32.39
3V3 on Top "3V3_L01_P034" (solid, pour order 34): -383.88,355.07 -384.42,355.6 -384.42,387.42 -399.36,402.36 -443.86,402.36 -443.86,383.02 -422.58,361.73 -422.58,354.96
VDDPA2 on Top "VDDPA2_L01_P033" (solid, pour order 33): -289.51,441.46 -290.29,469.1 -338.51,512.61 -488.3,514.27 -488.59,474.39 -341.12,474.05 -296.95,436.41
GND on Top "NONET_L01_P-001" (solid, pour order 9): -287.23,472.89 -285.37,471.03 -196.71,471.03 -196.71,835.38 -338.98,835.38 -338.98,524.43 -285.99,471.44
VDDPA1 on Top "VDDPA1_L01_P032" (solid, pour order 32): -277.69,504.27 -278.47,531.92 -339.06,586.59 -486.12,588.22 -486.41,548.63 -342.73,548.31 -285.12,499.22
3V3 on Top "3V3_L01_P031" (solid, pour order 31): 612.23,576.45 600.46,596.34 566.55,577.34 537.41,590.31 476.52,556.2 504.05,512.25
GND on Top "GND_L01_P030" (solid, pour order 30): -786.96,-473.39 -768.19,-506.66 -722.45,-480.71 -682.17,-457.34 -703.81,-423.79
3V3 on Top "3V3_L01_P029" (solid, pour order 29): -819.05,473.45 -799.43,504.58 -790.19,506.27 -735.26,599.45 -793.56,631.9 -851.53,530.06 -826.39,515.06 -822.78,493.18 -831.01,480.78
GND on Top "GND_L01_P028" (solid, pour order 28): -833.88,448.92 -811.47,470.17 -735.35,599.77 -697.32,577.53 -687.71,542.37 -713.87,495.33 -793.71,472.77 -798.85,461.31 -806.6,433.18
NetU3_1 on Top "NETU3_1_L01_P027" (solid, pour order 27): -849.06,422.68 -859.98,428.53 -866.03,447.1 -836.45,497.43 -850.35,505.07 -890.85,433.6 -877.55,425.66 -868.12,416.82 -856.4,410.07
GND on Top "GND_L01_P026" (solid, pour order 26): -828.24,410.76 -842.37,386.69 -863.67,381.08 -906.33,305.01 -962.61,337.2 -918.81,410.63 -914.25,408.19 -849.59,409.96 -842.37,422.25
1V8 on Top "1V8_L01_P024" (solid, pour order 24): -775.07,441.1 -800.52,397.86 -823.7,410.49 -834.81,388.39 -856.87,382.3 -889.27,324.52 -795.25,273.79 -701.18,273.79 -701.83,307.32 -597.02,307.32 -561.21,343.12 -467.49,343.12 -467.49,368.08 -498.85,399.44 -575.54,399.44 -575.54,441.1 -712.25,441.1 -763.75,457.3
GND on Top "GND_L01_P023" (solid, pour order 23): 339.75,-364.79 339.75,-274.28 296.55,-274.28 285.57,-285.26 285.57,-364.51
3V3 on Top "3V3_L01_P022" (solid, pour order 22): 346.95,-362.1 346.94,-269.22 360.25,-255.91 374.47,-255.91 401.12,-282.57 401.12,-361.82
GND on Top "NONET_L01_P-001" (solid, pour order 15): 896.73,421.6 896.73,447.65 867.49,476.88 645.91,476.88 638.15,484.65 626.94,484.65 626.3,485.28 611.14,485.28 611.28,423.07 644.92,423.07 752.69,423.07 752.69,400.87 896.73,400.87
NetU1_3 on Top "NONET_L01_P-001" (solid, pour order 16): 608.91,493.73 608.48,494.15 608.48,517.99 525.25,517.99 495.66,488.41 495.66,469.03 582.3,469.03 582.72,469.46 582.72,493.09
3V3 on Top "NONET_L01_P-001" (solid, pour order 14): 605.82,413.39 605.82,256.26 523.07,256.26 510.57,268.76 510.57,448.36 574.99,448.36 582.57,440.79 582.57,413.59
GND on Top "NONET_L01_P-001" (solid, pour order 13): 616.86,414.72 616.86,254.76 673.79,254.76 673.6,354.32 668.33,354.32 625.24,397.42 625.24,414.72
5V on Top "NONET_L01_P-001" (solid, pour order 12): 632.2,494.17 667.17,494.34 667.17,485.99 876.61,485.99 876.61,585.55 711.96,585.55 652.59,526.17 632.27,526.17
GND on Top "NONET_L01_P-001" (solid, pour order 11): -483.6,838.8 -483.6,787.62 -413.91,787.62 -413.91,838.8
GND on Top "NONET_L01_P-001" (solid, pour order 10): -148.65,837.3 -148.66,786.12 -78.96,786.12 -78.96,837.3
3V3 on Top "NONET_L01_P-001" (solid, pour order 8): -492.11,472.55 -492.11,593.24 -629.77,593.24 -629.77,472.55
1V8 on Signal_1 "1V8_L03_P035" (solid, pour order 35): -206.17,177.18 -206.17,139.84 -205.77,139.44 -163.04,139.44 -163.04,96.65 -151.91,85.51 -151.91,3.76 -106.56,3.76 -89.54,20.79 -89.54,71.88 -104.19,86.53 -118.05,86.53 -118.05,153.05 -142.17,177.18
VDDPA2 on Signal_1 "NONET_L01_P-001" (solid, pour order 6): -286.42,422.76 -286.42,464.39 -359.11,537.09 -469.14,537.09 -469.14,475.79 -461.19,467.84 -336.45,467.84 -291.37,422.76
VDDPA1 on Signal_1 "NONET_L01_P-001" (solid, pour order 5): -470.17,545.26 -470.17,616.44 -357.85,616.44 -274.06,532.65 -274.06,504.1 -285.46,499.38 -325.61,539.52 -464.43,539.52
no net on Top Solder "NONET_L01_P-001" (solid): -271.21,593.38 -243.84,593.38 -243.84,416.27 -271.21,416.74
3V3 on PWR (split plane): 814.1,595.47 714.01,595.47 711.44,595.14 709.05,594.14 706.99,592.57 637.16,522.73 635.58,520.68 634.59,518.28 634.25,515.71 634.25,-177.04 634.59,-179.61 635.58,-182 637.16,-184.06 668.32,-215.21 670.37,-216.79 672.77,-217.78 675.33,-218.12 1031.97,-218.12 578.95,-1002.77 -578.95,-1002.77 -1157.9,0 -578.94,1002.77 578.95,1002.78
5V on PWR (split plane): 1047.35,191.47 1047.35,-191.47 1043.43,-198.26 679.45,-198.26 654.11,-172.92 654.11,511.6 718.12,575.62 825.56,575.62
GND on GND_3 (split plane): 1047.35,191.47 1047.35,-191.47 578.95,-1002.77 -578.95,-1002.77 -1157.9,0 -578.94,1002.77 578.95,1002.78
GND on GND_1 (split plane): 1047.35,191.47 1047.35,-191.47 578.95,-1002.77 -578.95,-1002.77 -1157.9,0 -578.94,1002.77 578.95,1002.78
GND on GND_2 (split plane): 1047.35,191.47 1047.35,-191.47 578.95,-1002.77 -578.95,-1002.77 -1157.9,0 -578.94,1002.77 578.95,1002.78

## Other copper
Top:
  text "1" at 63.83,-991.79 h39.37
Signal_1:
  text "3" at 140.4,-991.79 h39.37
Signal_2:
  text "6" at 277.29,-991.79 h39.37
Bottom:
  text "8" at 368.56,-991.79 h39.37
GND_1 (plane layer: these items are gaps in the copper):
  text "2" at 94.77,-991.79 h39.37
GND_2 (plane layer: these items are gaps in the copper):
  text "4" at 185.2,-991.79 h39.37
PWR (plane layer: these items are gaps in the copper):
  lines w19.68: 832.49,585.55 714.01,585.55 644.18,515.71 644.18,-177.04 675.33,-208.19 1065.63,-208.19
  text "5" at 231.66,-991.79 h39.37
GND_3 (plane layer: these items are gaps in the copper):
  text "7" at 323.58,-991.79 h39.37

## Silkscreen, mask and mechanical layers (free items; w line width, h text height)
Top Overlay:
  text "EQ" at 433.84,454.95 h20
  text "CLK" at -63.36,-280.96 h20 r90
  text "nCS" at -383.85,-297.05 h20
  text "PE" at 439.85,-308.42 h20
  text "MISO" at -402.05,-377.68 h20
  text "MOSI" at -60.31,-429.7 h20 r90
  text "GND" at -257.99,-613.11 h30
Bottom Overlay:
  region: -394.06,-676.45 -648.35,-235.99 -910.99,-387.63 -656.69,-828.08
  text ".Project_Name" at 78.55,516.66 h78.74
  text "Revision .Project_Revision" at 78.55,453.72 h40
  text "BTN reset the  / USB-C gates / Expect 500ms / Delay" at 667.17,371.06 h30 r300
  text "Designed by: / .Project_Designer1 / .Project_Designer2 / .Project_Designer3" at -258.52,144.26 h36
  text "Serial #" at -401.58,-663.41 h39.37 r300
  text "1" at -39.37,-669.29 h393.7
Board Outline:
  the board outline again, w0.79
Route Tool Path:
  lines w100: -94.32,1593.21 -469.12,1593.21 -469.12,1072.87 ; -87.19,1593.21 -87.19,1072.87 -469.12,1072.87 ; -1224.38,-25.05 cw(c-1181.1,0) -1224.4,25 -1224.38,25.05 ; -1224.38,-25.05 -1224.4,-25 cw(c-1181.1,0) -1224.38,25.05 ; -1224.38,-25.05 -633.88,-1047.82 ; -1224.38,25.05 -633.88,1047.82 ; -633.88,-1047.82 ccw(c-590.55,-1022.86) -590.55,-1072.87 cw(c-590.55,-1022.86) -633.85,-1047.87 -633.88,-1047.82 ; -633.88,1047.82 cw(c-590.55,1022.87) -590.55,1072.87 ; -633.88,1047.82 -633.85,1047.87 cw(c-590.55,1022.87) -590.55,1072.87 ; -590.55,1072.87 -469.12,1072.87 ; 633.88,-1047.82 cw(c590.55,-1022.86) 590.55,-1072.87 ccw(c590.55,-1022.86) 633.85,-1047.87 633.88,-1047.82 ; 633.88,-1047.82 1110.72,-221.9 ; 633.85,1047.87 ccw(c590.55,1022.87) 590.55,1072.87 cw(c590.55,1022.87) 633.85,1047.87 ; 633.85,1047.87 1110.75,221.85 ; 1110.72,-221.9 ccw(c1067.45,-196.85) 1117.45,-196.85 ; 1110.72,-221.9 1110.75,-221.85 ccw(c1067.45,-196.85) 1117.45,-196.85 ; 1110.75,221.85 cw(c1067.45,196.85) 1117.45,196.85 ; 1110.75,221.85 cw(c1067.45,196.85) 1117.45,196.85 ; 1117.45,-196.85 1117.45,196.85

## Text inside footprints (layer, text, board x,y; h text height)
J1: Top Assembly "A1" at 723.35,-160 h20 r90; Top Assembly "B12" at 813.69,-164.17 h20 r90; Top Assembly "B1" at 818.29,119.99 h20 r90; Top Assembly "A12" at 723.35,115 h20 r90
J3: Top Assembly "Board edge / 62 mils PCB" at -116.97,1174.13 h31.5 r180